# Altium PCB DM2097.PcbDoc (part 6 of 7)
Units mm, origin at the board's own origin, x right, y up, seen from the top; angles counter-clockwise.
Board outline 115 x 46 mm, 6 copper layers (Top Copper, GND 1, PWR, Signal Layer 1, GND 2, Bottom Copper), stack 1.599 mm thick; 405 components, 357 nets, 1577 pads, 915 vias.
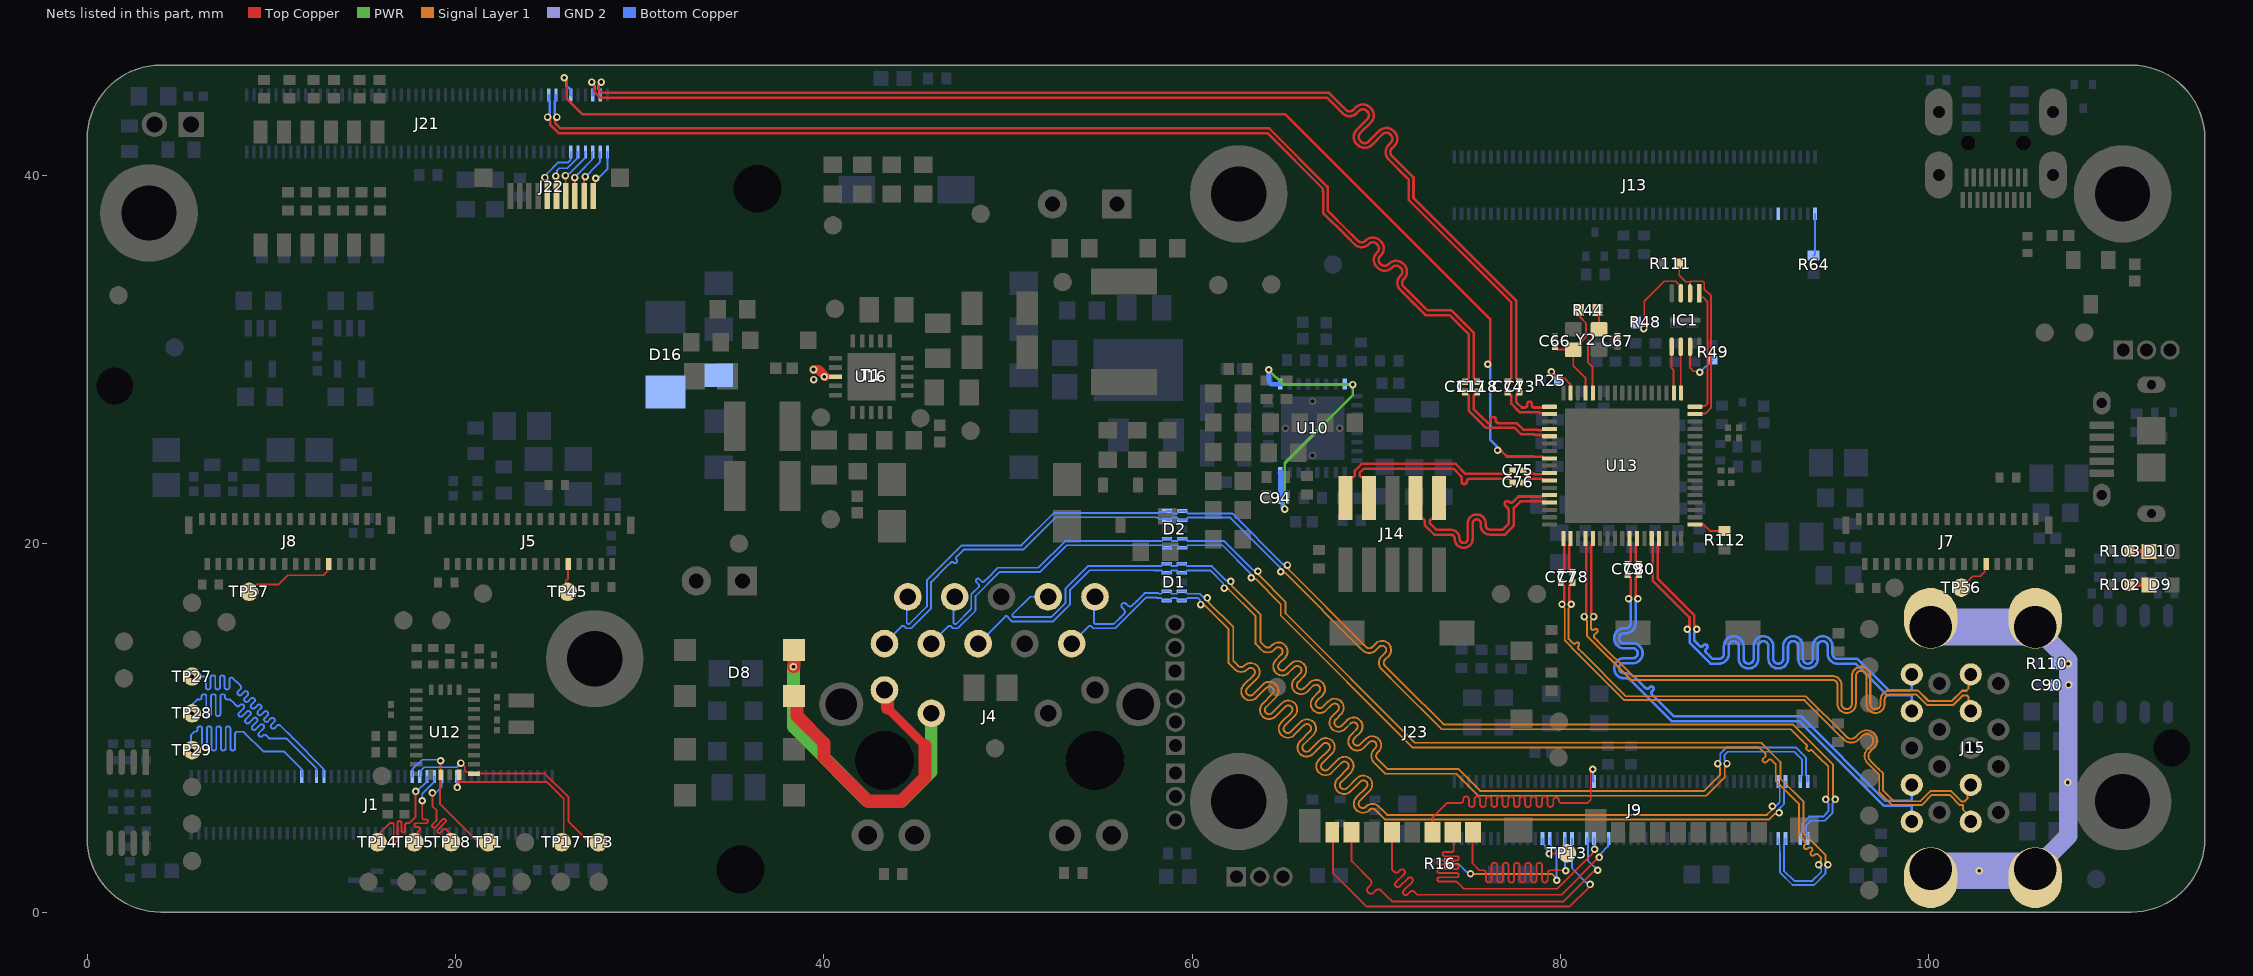
[diagram p10: the nets of this part, all layers, seen from the top]

## Via types
v1: diameter 0.406, hole 0.203, Top Copper to Bottom Copper, tented both sides, 888 vias
v2: diameter 0.508, hole 0.254, Top Copper to Bottom Copper, 24 vias
v3: diameter 0.406, hole 0.2, Top Copper to Bottom Copper, 2 vias
v4: diameter 0.406, hole 0.203, Top Copper to Bottom Copper, 1 vias

## Nets (pads, with @x,y where several pads share a name; then routed paths per layer and width w, separated by ;. In a path a pad name is that pad's centre, name@x,y a point inside that pad or via, vN(x,y) a via of type N, cw(c..) or ccw(c..) an arc to the next point about the centre after c; other vN are vias at no path point) (continued)
SD_HST0_D1: J1.38 TP27.1 | length 17.6
  Bottom Copper w0.102: v1(5.7,12.8) 6.025,12.8 6.331,12.8 cw(c6.331,12.685) 6.446,12.685 6.446,12.216 ccw(c6.561,12.216) 6.561,12.101 6.587,12.101 ccw(c6.587,12.216) 6.702,12.216 6.702,12.751 cw(c6.817,12.751) 6.817,12.866 6.843,12.866 cw(c6.843,12.751) 6.958,12.751 6.958,12.216 ccw(c7.073,12.216) 7.073,12.101 7.098,12.101 ccw(c7.098,12.216) 7.213,12.216 7.213,12.733 cw(c7.328,12.733) 7.328,12.848 7.354,12.848 cw(c7.354,12.733) 7.469,12.733 7.469,12.216 ccw(c7.584,12.216) 7.584,12.101 7.609,12.101 ccw(c7.609,12.216) 7.724,12.216 7.724,12.622 cw(c7.839,12.622) 7.921,12.703 8.08,12.544 8.117,12.507 8.333,12.291 cw(c8.252,12.209) 8.333,12.128 8.194,11.989 ccw(c8.275,11.908) 8.194,11.826 8.212,11.808 ccw(c8.293,11.889) 8.375,11.808 8.537,11.97 cw(c8.618,11.889) 8.7,11.97 8.718,11.952 cw(c8.636,11.871) 8.718,11.79 8.557,11.629 ccw(c8.638,11.547) 8.557,11.466 8.575,11.448 ccw(c8.656,11.529) 8.737,11.448 8.898,11.609 cw(c8.98,11.528) 9.061,11.609 9.079,11.591 cw(c8.998,11.51) 9.079,11.428 8.918,11.267 ccw(c8.999,11.186) 8.918,11.104 8.936,11.086 ccw(c9.017,11.168) 9.099,11.086 9.26,11.248 cw(c9.341,11.166) 9.423,11.248 9.441,11.229 cw(c9.359,11.148) 9.441,11.067 9.28,10.906 ccw(c9.361,10.824) 9.28,10.743 9.298,10.725 ccw(c9.379,10.806) 9.46,10.725 9.621,10.886 cw(c9.703,10.805) 9.784,10.886 9.802,10.868 cw(c9.721,10.787) 9.802,10.705 9.641,10.544 ccw(c9.722,10.463) 9.641,10.381 9.659,10.363 ccw(c9.74,10.445) 9.822,10.363 9.983,10.525 cw(c10.064,10.443) 10.146,10.525 10.164,10.506 cw(c10.082,10.425) 10.164,10.344 10.001,10.182 ccw(c10.083,10.1) 10.001,10.019 10.019,10.001 ccw(c10.101,10.082) 10.182,10.001 10.321,10.14 cw(c10.403,10.059) 10.484,10.14 11.154,9.47 12.832,7.792 12.832,7.396 J1.38@12.86,7.368
SD_HST0_D2: J1.36 TP28.1 | length 17.8
  Bottom Copper w0.102: v1@5.675,10.8 5.675,11.25 5.75,11.325 5.975,11.55 6.05,11.55 6.101,11.55 ccw(c6.101,11.665) 6.216,11.665 6.216,11.725 cw(c6.331,11.725) 6.331,11.84 6.356,11.84 cw(c6.356,11.725) 6.471,11.725 6.471,10.769 ccw(c6.586,10.769) 6.586,10.654 6.612,10.654 ccw(c6.612,10.769) 6.727,10.769 6.727,11.725 cw(c6.842,11.725) 6.842,11.84 6.868,11.84 cw(c6.868,11.725) 6.983,11.725 6.983,10.769 ccw(c7.098,10.769) 7.098,10.654 7.123,10.654 ccw(c7.123,10.769) 7.238,10.769 7.238,11.725 cw(c7.353,11.725) 7.353,11.84 7.379,11.84 cw(c7.379,11.725) 7.494,11.725 7.494,11.665 ccw(c7.609,11.665) 7.609,11.55 7.775,11.55 7.95,11.375 8.075,11.25 8.111,11.214 ccw(c8.192,11.295) 8.274,11.214 8.316,11.256 cw(c8.397,11.175) 8.479,11.256 8.497,11.238 cw(c8.415,11.157) 8.497,11.076 8.249,10.828 ccw(c8.331,10.747) 8.249,10.666 8.267,10.648 ccw(c8.349,10.729) 8.43,10.648 8.677,10.895 cw(c8.759,10.814) 8.84,10.895 8.858,10.877 cw(c8.777,10.796) 8.858,10.714 8.611,10.467 ccw(c8.692,10.385) 8.611,10.304 8.629,10.286 ccw(c8.71,10.367) 8.791,10.286 9.039,10.534 cw(c9.12,10.452) 9.202,10.534 9.22,10.515 cw(c9.138,10.434) 9.22,10.353 8.972,10.105 ccw(c9.054,10.024) 8.972,9.943 8.99,9.925 ccw(c9.072,10.006) 9.153,9.925 9.4,10.172 cw(c9.482,10.091) 9.563,10.172 9.581,10.154 cw(c9.5,10.073) 9.581,9.991 9.334,9.744 ccw(c9.415,9.663) 9.334,9.581 9.352,9.563 ccw(c9.433,9.644) 9.514,9.563 9.557,9.606 cw(c9.638,9.524) 9.719,9.606 9.882,9.443 9.993,9.443 10.818,9.443 12.45,7.811 12.45,7.378 J1.36@12.46,7.368
  other v1: 5.7,10.8
SD_HST0_D3: J1.32 TP29.1 | length 17.7
  Bottom Copper w0.102: v1@5.65,8.8 5.65,9.625 5.825,9.8 5.876,9.8 ccw(c5.876,9.915) 5.991,9.915 5.991,9.975 cw(c6.106,9.975) 6.106,10.09 6.131,10.09 cw(c6.131,9.975) 6.246,9.975 6.246,8.901 ccw(c6.361,8.901) 6.361,8.786 6.387,8.786 ccw(c6.387,8.901) 6.502,8.901 6.502,9.975 cw(c6.617,9.975) 6.617,10.09 6.643,10.09 cw(c6.643,9.975) 6.758,9.975 6.758,8.901 ccw(c6.873,8.901) 6.873,8.786 6.898,8.786 ccw(c6.898,8.901) 7.013,8.901 7.013,9.975 cw(c7.128,9.975) 7.128,10.09 7.154,10.09 cw(c7.154,9.975) 7.269,9.975 7.269,8.901 ccw(c7.384,8.901) 7.384,8.786 7.409,8.786 ccw(c7.409,8.901) 7.524,8.901 7.524,9.975 cw(c7.639,9.975) 7.639,10.09 7.665,10.09 cw(c7.665,9.975) 7.78,9.975 7.78,8.901 ccw(c7.895,8.901) 7.895,8.786 7.921,8.786 ccw(c7.921,8.901) 8.036,8.901 8.036,9.685 cw(c8.151,9.685) 8.151,9.8 8.5,9.8 8.517,9.783 9.562,8.738 10.688,8.738 11.66,7.765 J1.32@11.66,7.368
  other v1: 5.7,8.8
SD_PWR_ON: J9.75 TP13.1 | length 2
  Top Copper w0.102: v1(79.392,3.177) 79.403,3.189 80.354,3.189 TP13.1@80.366,3.2
  Bottom Copper w0.102: J9.75@79.031,4.009 79.031,3.759 79.178,3.611 79.178,3.468 79.392,3.254 v1(79.392,3.177)
SDX_CLK: J9.57 J23.5 | length 19
  Top Copper w0.102: J23.5@70.859,4.347 70.859,2.494 70.859,2.318 70.988,2.189 ccw(c71.096,2.297) 71.204,2.189 71.3,2.284 cw(c71.408,2.176) 71.516,2.284 cw(c71.408,2.176) 71.516,2.068 71.069,1.621 ccw(c71.177,1.513) 71.069,1.405 ccw(c71.177,1.513) 71.285,1.405 71.732,1.852 cw(c71.84,1.744) 71.948,1.852 cw(c71.84,1.744) 71.948,1.636 71.501,1.189 ccw(c71.609,1.081) 71.501,0.973 ccw(c71.609,1.081) 71.717,0.973 71.853,1.109 cw(c71.961,1) 72.069,1.109 72.105,1.073 72.232,0.946 80.066,0.946 82.096,2.975 v1(82.107,2.975)
  Bottom Copper w0.102: v1(82.107,2.975) 82.166,3.033 82.166,3.156 82.582,3.573 J9.57@82.582,4.028
SDX_CMD: J9.62 J23.3 | length 19.6
  Top Copper w0.102: J23.3@73.059,4.347 73.059,5.15 73.831,5.922 74.523,5.922 74.574,5.922 ccw(c74.574,6.075) 74.727,6.075 74.727,6.134 cw(c74.879,6.134) 74.879,6.287 cw(c74.879,6.134) 75.032,6.134 75.032,5.868 ccw(c75.185,5.868) 75.185,5.715 ccw(c75.185,5.868) 75.338,5.868 75.338,6.134 cw(c75.491,6.134) 75.491,6.287 cw(c75.491,6.134) 75.643,6.134 75.643,5.868 ccw(c75.796,5.868) 75.796,5.715 ccw(c75.796,5.868) 75.949,5.868 75.949,6.134 cw(c76.102,6.134) 76.102,6.287 cw(c76.102,6.134) 76.255,6.134 76.255,5.868 ccw(c76.407,5.868) 76.407,5.715 ccw(c76.407,5.868) 76.56,5.868 76.56,6.134 cw(c76.713,6.134) 76.713,6.287 cw(c76.713,6.134) 76.866,6.134 76.866,5.868 ccw(c77.019,5.868) 77.019,5.715 ccw(c77.019,5.868) 77.171,5.868 77.171,6.134 cw(c77.324,6.134) 77.324,6.287 cw(c77.324,6.134) 77.477,6.134 77.477,5.868 ccw(c77.63,5.868) 77.63,5.715 ccw(c77.63,5.868) 77.783,5.868 77.783,6.134 cw(c77.935,6.134) 77.935,6.287 cw(c77.935,6.134) 78.088,6.134 78.088,5.868 ccw(c78.241,5.868) 78.241,5.715 ccw(c78.241,5.868) 78.394,5.868 78.394,6.134 cw(c78.547,6.134) 78.547,6.287 cw(c78.547,6.134) 78.699,6.134 78.699,5.868 ccw(c78.852,5.868) 78.852,5.715 ccw(c78.852,5.868) 79.005,5.868 79.005,6.134 cw(c79.158,6.134) 79.158,6.287 cw(c79.158,6.134) 79.311,6.134 79.311,5.871 ccw(c79.463,5.871) 79.463,5.719 ccw(c79.463,5.871) 79.616,5.871 79.616,6.075 cw(c79.769,6.075) 79.769,6.228 cw(c79.769,6.075) 79.922,6.075 ccw(c80.075,6.075) 80.075,5.922 81.087,5.922 81.47,5.922 81.655,6.106 81.655,7.571 81.76,7.676 v1(81.76,7.758)
  Bottom Copper w0.102: v1(81.76,7.758) 81.782,7.736 81.782,7.132 J9.62@81.832,7.082
SDX_D0: J9.63 J23.7 | length 19.3
  Top Copper w0.102: J23.7@68.659,4.347 68.659,2.788 68.714,2.733 69.684,1.764 cw(c69.539,1.619) 69.684,1.474 69.564,1.354 ccw(c69.709,1.209) 69.564,1.065 ccw(c69.709,1.209) 69.854,1.065 69.974,1.184 cw(c70.118,1.039) 70.263,1.184 70.299,1.148 70.631,0.817 70.862,0.586 80.189,0.586 81.822,2.218 81.967,2.218 v1(82.025,2.277)
  Bottom Copper w0.102: J9.63@81.431,4.009 81.48,3.959 81.48,3.666 81.502,3.645 81.502,2.8 v1(82.025,2.277)
SDX_D1: J9.67 J23.8 | length 20.4
  Top Copper w0.102: J23.8@67.609,4.347 67.66,4.296 67.66,2.111 69.459,0.312 80.507,0.312 81.507,1.313 81.507,1.318 81.613,1.424 v1(81.613,1.506)
  Bottom Copper w0.102: J9.67@80.631,3.995 80.631,2.401 81.419,1.612 81.425,1.612 81.531,1.506 v1(81.613,1.506)
SDX_D2: J9.69 J23.1 | length 19.2
  Top Copper w0.102: J23.1@75.259,4.347 75.231,4.318 75.231,2.653 75.602,2.282 75.811,2.282 cw(c75.811,2.13) 75.963,2.13 75.963,1.764 ccw(c76.116,1.764) 76.268,1.764 76.268,2.531 cw(c76.421,2.531) 76.573,2.531 76.573,1.764 ccw(c76.725,1.764) 76.878,1.764 76.878,2.531 cw(c77.03,2.531) 77.183,2.531 77.183,1.764 ccw(c77.335,1.764) 77.487,1.764 77.487,2.531 cw(c77.64,2.531) 77.792,2.531 77.792,1.764 ccw(c77.945,1.764) 78.097,1.764 78.097,2.531 cw(c78.249,2.531) 78.402,2.531 78.402,1.764 ccw(c78.554,1.764) 78.707,1.764 78.707,2.531 cw(c78.859,2.531) 79.011,2.531 79.011,1.764 ccw(c79.164,1.764) 79.316,1.764 79.316,2.13 cw(c79.469,2.13) 79.469,2.282 79.519,2.282 80.263,2.282 v1(80.291,2.253)
  Bottom Copper w0.102: J9.69@80.269,4.034 80.261,4.025 80.261,2.284 v1(80.291,2.253)
SDX_D3: J9.61 J23.2 | length 19.8
  Top Copper w0.102: J23.2@74.21,4.347 74.21,3.797 74.21,3.383 cw(c74.096,3.383) 74.096,3.268 73.723,3.268 ccw(c73.723,3.154) 73.723,3.04 74.373,3.04 cw(c74.373,2.925) 74.373,2.811 73.436,2.811 ccw(c73.436,2.697) 73.436,2.583 74.373,2.583 cw(c74.373,2.468) 74.373,2.354 73.436,2.354 ccw(c73.436,2.24) 73.436,2.125 74.373,2.125 cw(c74.373,2.011) 74.373,1.897 73.436,1.897 ccw(c73.436,1.782) 73.436,1.668 74.291,1.668 cw(c74.291,1.473) 74.429,1.611 74.479,1.56 74.766,1.274 79.836,1.274 81.758,3.196 81.758,3.21 81.761,3.213 81.761,3.238 81.857,3.335 v1(81.857,3.417) ; J23.2@74.21,4.396 J23.2@74.441,4.627
  Bottom Copper w0.102: J9.61@81.832,3.996 81.844,3.984 81.844,3.431 v1(81.857,3.417)
SDX_VDD: J9.73 R16.1 | length 8.7
  Signal Layer 1 w0.102: v1(75.121,2.083) 79.536,2.083 79.798,1.821 v1(79.798,1.739)
  Bottom Copper w0.102: R16.1@73.95,2.62 74.469,2.62 74.914,2.175 74.947,2.175 75.039,2.083 v1(75.121,2.083) ; J9.73@79.431,4.009 79.48,3.959 79.48,3.64 79.792,3.327 79.792,1.744 v1(79.798,1.739)
SMI: R112.1 U13.1 | length 1.7
  Top Copper w0.102: U13.1@87.351,21.076 87.751,21.076 88.117,20.71 R112.1@88.92,20.71
SOFT_START: C94.1 U10.8 U10.17 U10.24 | length 17.1
  PWR w0.15: v1(64.16,29.452) 64.961,28.651 v1(68.732,28.651) 68.732,28.077 65.034,24.379 v1(65.034,21.89)
  Bottom Copper w0.102: U10.24@68.297,28.679 68.324,28.651 v1(68.732,28.651)
  Bottom Copper w0.254: v1(64.16,29.452) 64.16,28.828 64.309,28.679 U10.17@64.797,28.679
  Bottom Copper w0.3: U10.8@64.797,23.879 64.822,23.854 64.822,22.621 C94.1@64.957,22.486 64.957,21.967 v1(65.034,21.89)
SP1: D8.2 J4.13 | length 17.2
  Top Copper w0.7: v1(38.356,13.329) 38.376,13.35 D8.2@38.376,14.25
  PWR w0.7: v1(38.356,13.329) 38.356,10.066 38.976,9.446 42.397,6.025 44.225,6.025 45.84,7.64 J4.13@45.84,10.799
SP2: D8.3 J4.14 | length 16.7
  Top Copper w0.5: 43.453,11.097 45.504,9.046
  Top Copper w0.7: D8.3@38.376,11.75 38.556,11.571 38.556,10.644 40.015,9.185 40.015,8.407 42.387,6.035 44.213,6.035 45.504,7.326 45.504,9.046 ; J4.14@43.3,12.069 43.453,11.916 43.453,11.097
SPI0_CS_0: J1.70 TP18.1 | length 6.1
  Top Copper w0.102: 18.748,4.761 18.945,4.958 ccw(c18.873,5.03) 18.975,5.03 18.975,5.475 18.975,5.525 18.75,5.75 v1(18.75,6.475) ; 18.748,4.761 ccw(c18.813,4.695) 18.748,4.63 18.762,4.615 ccw(c18.828,4.681) 18.893,4.615 19.324,5.046 cw(c19.389,4.981) 19.455,5.046 19.469,5.031 cw(c19.404,4.966) 19.469,4.901 19.039,4.47 ccw(c19.104,4.405) 19.039,4.339 19.053,4.325 ccw(c19.119,4.39) 19.184,4.325 19.358,4.498 cw(c19.43,4.427) 19.502,4.498 19.537,4.463 TP18.1@19.8,4.2
  Bottom Copper w0.102: v1(18.75,6.475) 18.925,6.475 19.26,6.81 J1.70@19.26,7.368
SPI0_SCK: J1.74 TP17.1 U12.19 | length 9.5
  Top Copper w0.102: v1(20.1,6.775) 20.1,6.857 20.195,6.953 20.195,7.155 ; U12.19@20.195,7.466 20.195,7.155 ; TP17.1@25.8,4.2 25.868,4.2 25.883,4.215 25.883,6.161 24.969,7.075 20.275,7.075 20.195,7.155
  Bottom Copper w0.102: J1.74@20.06,7.368 20.08,7.348 20.08,6.795 v1(20.1,6.775)
SPI0_SIO0: J1.62 TP1.1 U12.17 | length 7.9
  Top Copper w0.102: v1(19.195,8.226) U12.17@19.195,7.466 19.165,7.436 19.165,5.874 19.637,5.402 ; 19.638,5.402 21.072,3.969 21.731,3.969 TP1.1@21.775,3.925
  Bottom Copper w0.102: J1.62@17.66,7.368 17.66,7.752 18.186,8.278 19.143,8.278 v1(19.195,8.226)
SPI0_SIO1: J1.64 TP3.1 U12.20 | length 12.8
  Top Copper w0.102: v1(20.3,8.1) 20.509,7.891 20.509,7.7 20.607,7.602 20.933,7.602 U12.20@21.008,7.528 24.86,7.528 26.145,6.243 26.145,4.912 26.361,4.696 26.361,4.691 27.177,3.875 27.7,3.875 TP3.1@27.775,3.8
  Bottom Copper w0.102: J1.64@18.06,7.368 18.06,7.628 18.302,7.87 19.013,7.87 19.342,7.87 20.071,7.87 v1(20.3,8.1)
SPI0_SIO2: J1.66 TP14.1 | length 7.8
  Top Copper w0.102: TP14.1@15.8,4.2 16.35,4.75 16.45,4.85 16.551,4.85 cw(c16.551,4.748) 16.653,4.748 16.653,3.934 ccw(c16.745,3.934) 16.745,3.841 16.766,3.841 ccw(c16.766,3.934) 16.858,3.934 16.858,4.855 cw(c16.951,4.855) 16.951,4.948 16.971,4.948 cw(c16.971,4.855) 17.064,4.855 17.064,4.435 ccw(c17.156,4.435) 17.156,4.342 17.177,4.342 ccw(c17.177,4.435) 17.269,4.435 17.269,4.748 cw(c17.371,4.748) 17.371,4.85 17.5,4.85 17.575,4.925 17.84,5.19 v1(17.84,6.56)
  Bottom Copper w0.102: v1(17.84,6.56) 17.912,6.56 18.46,7.108 J1.66@18.46,7.368
SPI0_SIO3: J1.68 TP15.1 | length 5.1
  Top Copper w0.102: TP15.1@17.775,3.8 17.947,3.972 17.947,4.347 18,4.4 ; 17.975,4.375 18.056,4.456 ccw(c17.984,4.527) 17.984,4.629 17.865,4.629 cw(c17.865,4.722) 17.772,4.722 17.772,4.742 cw(c17.865,4.742) 17.865,4.835 18.41,4.835 ccw(c18.41,4.927) 18.503,4.927 18.503,4.948 ccw(c18.41,4.948) 18.41,5.04 18.297,5.04 cw(c18.297,5.142) 18.195,5.142 18.195,5.35 18.195,5.475 v1(18.196,6.055)
  Bottom Copper w0.102: v1(18.196,6.055) 18.195,6.443 18.821,7.069 18.86,7.108 J1.68@18.86,7.368
SSREXT: R25.1 U13.33 | length 2.4
  Top Copper w0.102: v1(79.513,29.349) 79.878,28.984 80.243,28.984 80.551,28.676 U13.33@80.551,28.276
  Bottom Copper w0.102: v1(79.513,29.349) 79.538,29.349 79.976,28.911 R25.1@79.976,28.861
SSRX1'_N: C117.1 J21.84 | length 61.8
  Top Copper w0.135: v1(25.006,43.18) 25.006,43.107 25.161,42.951 25.161,42.748 25.601,42.308 64.089,42.308 67.111,39.286 67.111,39.159 67.12,39.15 67.12,37.98 68.329,36.771 68.466,36.634 68.826,36.274 ccw(c69.21,36.658) 69.593,36.274 69.617,36.297 ; 69.617,36.298 cw(c69.82,36.095) 70.025,36.297 70.068,36.254 cw(c69.866,36.049) 70.07,35.847 70.034,35.811 ccw(c70.418,35.427) 70.034,35.044 70.079,34.999 ccw(c70.463,35.382) 70.847,34.999 ; 70.847,34.999 70.881,35.033 cw(c71.085,34.83) 71.289,35.033 71.332,34.99 cw(c71.13,34.785) 71.334,34.583 71.309,34.558 ccw(c71.693,34.174) 71.309,33.791 71.941,33.159 ; 71.942,33.158 72.079,33.021 72.677,32.423 73.973,32.423 75.033,31.364 75.033,29.002 74.953,28.923 74.923,28.923 74.83,28.83 C117.1@74.83,28.81
  Bottom Copper w0.135: v1(25.006,43.18) 25.006,43.253 25.133,43.38 25.133,43.656 25.132,44.036 25.06,44.108 J21.84@25.06,44.368
SSRX1'_P: C118.1 J21.86 | length 61.8
  Top Copper w0.135: v1(25.514,43.18) 25.514,43.107 25.416,43.009 25.416,42.853 25.706,42.563 64.194,42.563 67.366,39.391 67.366,39.264 67.375,39.256 67.375,38.086 68.509,36.952 68.684,36.776 69.006,36.455 ; 69.006,36.455 ccw(c69.21,36.658) 69.413,36.455 ; 69.414,36.455 69.437,36.478 cw(c69.82,36.095) 70.163,36.516 70.167,36.516 70.287,36.396 70.287,36.392 cw(c69.866,36.049) 70.249,35.665 ; 70.249,35.665 70.215,35.631 ccw(c70.418,35.427) 70.215,35.224 70.259,35.18 ; 70.259,35.179 ccw(c70.463,35.382) 70.665,35.178 70.701,35.214 cw(c71.085,34.83) 71.427,35.251 71.431,35.251 71.551,35.131 71.551,35.127 cw(c71.13,34.785) 71.513,34.401 71.49,34.378 ccw(c71.693,34.174) 71.49,33.971 72.085,33.376 72.26,33.201 72.782,32.678 74.079,32.678 75.288,31.47 75.288,29.002 75.367,28.923 75.398,28.923 75.49,28.83 C118.1@75.49,28.81
  Bottom Copper w0.135: J21.86@25.46,44.368 25.46,44.108 25.388,44.036 25.388,43.761 25.388,43.38 25.514,43.253 v1(25.514,43.18)
SSRX1_N: C117.2 U13.39 | length 6.1
  Top Copper w0.139: C117.2@74.83,28.25 74.83,28.23 74.921,28.139 74.949,28.139 75.031,28.058 75.031,27.227 75.957,26.301 77.523,26.301 77.878,25.947 78.563,25.947 78.57,25.94 78.665,25.94 78.69,25.915 78.996,25.915 79.022,25.889 79.372,25.889 U13.39@79.413,25.848
SSRX1_P: C118.2 U13.38 | length 6.1
  Top Copper w0.139: C118.2@75.49,28.25 75.49,28.23 75.399,28.139 75.371,28.139 75.289,28.058 75.289,27.334 75.725,26.899 76.064,26.56 76.068,26.56 ccw(c76.068,26.699) 76.207,26.699 76.207,26.759 cw(c76.338,26.759) 76.338,26.89 76.368,26.89 cw(c76.368,26.759) 76.499,26.759 76.499,26.699 ccw(c76.638,26.699) 76.638,26.56 77,26.56 77.63,26.56 77.985,26.206 78.775,26.206 78.8,26.181 78.996,26.181 79.022,26.207 79.372,26.207 U13.38@79.413,26.248
SSRX2_N: J14.8 U13.48 | length 12.2
  Top Copper w0.139: J14.8@72.145,22.492 72.145,21.672 72.456,21.362 72.566,21.362 72.647,21.28 72.647,21.01 73.126,20.531 73.148,20.509 74.039,20.509 cw(c74.039,20.287) 74.261,20.287 74.261,20.275 ccw(c74.749,20.275) 74.749,19.787 ccw(c74.749,20.275) 75.237,20.275 75.237,21.111 cw(c75.459,21.111) 75.459,21.333 cw(c75.459,21.111) 75.682,21.111 75.682,20.997 ccw(c76.17,20.997) 76.17,20.509 76.994,20.509 77.339,20.855 77.475,20.99 77.475,21.951 77.833,22.309 78.996,22.309 79.016,22.289 79.372,22.289 U13.48@79.413,22.248
SSRX2_P: J14.10 U13.47 | length 12.3
  Top Copper w0.139: J14.10@73.415,22.492 73.415,21.672 73.105,21.362 72.994,21.362 72.913,21.28 72.913,21.12 73.126,20.907 73.259,20.775 74.039,20.775 cw(c74.039,20.287) 74.527,20.287 74.527,20.275 ccw(c74.749,20.275) 74.749,20.053 ccw(c74.749,20.275) 74.971,20.275 74.971,21.111 cw(c75.459,21.111) 75.459,21.598 cw(c75.459,21.111) 75.947,21.111 75.947,20.997 ccw(c76.17,20.997) 76.17,20.775 76.884,20.775 77.209,21.1 77.209,21.668 77.209,21.685 77.209,21.783 ; 77.019,22.077 cw(c77.122,22.18) 77.018,22.283 cw(c77.122,22.18) 77.225,22.283 ccw(c77.328,22.386) 77.431,22.283 77.69,22.542 77.723,22.575 78.996,22.575 79.029,22.607 79.372,22.607 U13.47@79.413,22.648 ; 77.019,22.076 77.136,21.959 cw(c76.96,21.783) 77.209,21.784
SSRX3_N: J15.5 U13.56 | length 34.5
  Top Copper w0.139: U13.56@81.763,20.298 81.763,20.003 81.68,19.921 81.68,19.087 81.68,16.247 81.801,16.126 v1(81.801,16.053)
  Signal Layer 1 w0.11: v1(81.801,16.053) 81.801,15.988 81.654,15.841 81.654,15.838 81.654,15.436 ccw(c81.764,15.436) 81.842,15.358 cw(c81.917,15.283) 81.992,15.358 cw(c81.917,15.283) 81.992,15.208 81.85,15.066 ccw(c81.928,14.988) 81.85,14.911 82,14.761 82.039,14.722 83.925,12.836 93.819,12.836 94.764,12.836 cw(c94.764,12.337) 95.262,12.337 95.262,11.318 ccw(c95.547,11.318) 95.547,11.034 ccw(c95.547,11.318) 95.831,11.318 95.831,12.828 cw(c96.33,12.828) 96.33,13.326 cw(c96.33,12.828) 96.828,12.828 96.828,11.318 ccw(c97.113,11.318) 97.113,11.034 ccw(c97.113,11.318) 97.397,11.318 97.397,11.533 cw(c97.896,11.533) 97.896,12.032 98.702,12.032 99.431,12.032 99.992,11.471 101.26,11.471 101.815,12.026 102.045,12.026 102.173,12.154 102.173,12.807 J15.5@102.285,12.919
SSRX3_P: J15.6 U13.55 | length 34.5
  Top Copper w0.139: v1(81.293,16.053) 81.293,16.126 81.415,16.247 81.415,19.197 ; U13.55@81.363,20.298 81.403,20.257 81.403,19.892 81.415,19.881 81.415,19.197
  Signal Layer 1 w0.11: v1(81.293,16.053) 81.293,15.988 81.44,15.841 81.44,15.017 83.836,12.622 93.819,12.622 94.764,12.622 cw(c94.764,12.337) 95.048,12.337 95.048,11.318 ccw(c95.547,11.318) 95.547,10.82 ccw(c95.547,11.318) 96.045,11.318 96.045,12.828 cw(c96.33,12.828) 96.33,13.112 cw(c96.33,12.828) 96.614,12.828 96.614,11.318 ccw(c97.113,11.318) 97.113,10.82 ccw(c97.113,11.318) 97.611,11.318 97.611,11.533 cw(c97.896,11.533) 97.896,11.818 98.702,11.818 99.343,11.818 99.903,11.257 101.349,11.257 101.858,11.767 102.09,11.767 102.173,11.684 102.173,11.031 J15.6@102.285,10.919
SSRX4_N: J15.14 U13.65 | length 29.3
  Top Copper w0.139: U13.65@85.363,20.298 85.363,20.003 85.281,19.922 85.281,18.122 87.28,16.123 87.28,15.561 87.401,15.439 v1(87.401,15.367)
  Bottom Copper w0.139: v1(87.401,15.367) 87.401,15.295 87.277,15.17 87.277,14.745 87.399,14.622 87.448,14.573 87.555,14.467 ccw(c87.653,14.565) 87.751,14.467 87.787,14.502 cw(c87.872,14.417) 87.957,14.502 cw(c87.872,14.417) 87.957,14.332 87.921,14.296 ccw(c88.019,14.198) 87.921,14.1 88.091,13.93 88.14,13.881 88.262,13.759 88.412,13.759 88.61,13.759 ccw(c88.61,14.033) 88.884,14.033 88.884,14.449 cw(c89.416,14.449) 89.416,14.981 cw(c89.416,14.449) 89.948,14.449 89.948,13.769 ccw(c90.221,13.769) 90.221,13.496 ccw(c90.221,13.769) 90.494,13.769 90.494,14.449 cw(c91.026,14.449) 91.026,14.981 cw(c91.026,14.449) 91.558,14.449 91.558,13.769 ccw(c91.832,13.769) 91.832,13.496 ccw(c91.832,13.769) 92.105,13.769 92.105,14.449 cw(c92.637,14.449) 92.637,14.981 cw(c92.637,14.449) 93.169,14.449 93.169,13.769 ccw(c93.442,13.769) 93.442,13.496 ccw(c93.442,13.769) 93.716,13.769 93.716,14.449 cw(c94.248,14.449) 94.248,14.981 cw(c94.248,14.449) 94.78,14.449 94.78,14.033 ccw(c95.053,14.033) 95.053,13.759 95.771,13.759 96.13,13.759 97.838,12.052 99.004,12.052 99.085,12.133 J15.14@99.085,12.919
SSRX4_P: J15.15 U13.64 | length 29.3
  Top Copper w0.139: U13.64@84.963,20.298 85.003,20.257 85.003,19.893 85.015,19.881 85.015,18.012 87.015,16.013 87.015,15.561 86.893,15.439 v1(86.893,15.367)
  Bottom Copper w0.139: v1(86.893,15.367) 86.893,15.295 87.018,15.17 87.018,14.637 88.155,13.501 88.412,13.501 88.61,13.501 ccw(c88.61,14.033) 89.142,14.033 89.142,14.449 cw(c89.416,14.449) 89.416,14.723 cw(c89.416,14.449) 89.689,14.449 89.689,13.769 ccw(c90.221,13.769) 90.221,13.237 ccw(c90.221,13.769) 90.753,13.769 90.753,14.449 cw(c91.026,14.449) 91.026,14.723 cw(c91.026,14.449) 91.3,14.449 91.3,13.769 ccw(c91.832,13.769) 91.832,13.237 ccw(c91.832,13.769) 92.364,13.769 92.364,14.449 cw(c92.637,14.449) 92.637,14.723 cw(c92.637,14.449) 92.91,14.449 92.91,13.769 ccw(c93.442,13.769) 93.442,13.237 ccw(c93.442,13.769) 93.974,13.769 93.974,14.449 cw(c94.248,14.449) 94.248,14.723 cw(c94.248,14.449) 94.521,14.449 94.521,14.033 ccw(c95.053,14.033) 95.053,13.501 95.771,13.501 96.023,13.501 97.577,11.947 97.577,11.942 97.733,11.786 99.004,11.786 99.085,11.705 J15.15@99.085,10.919